# Altium PCB TFT-ES32-V1.PcbDoc (part 1 of 2) (continued)
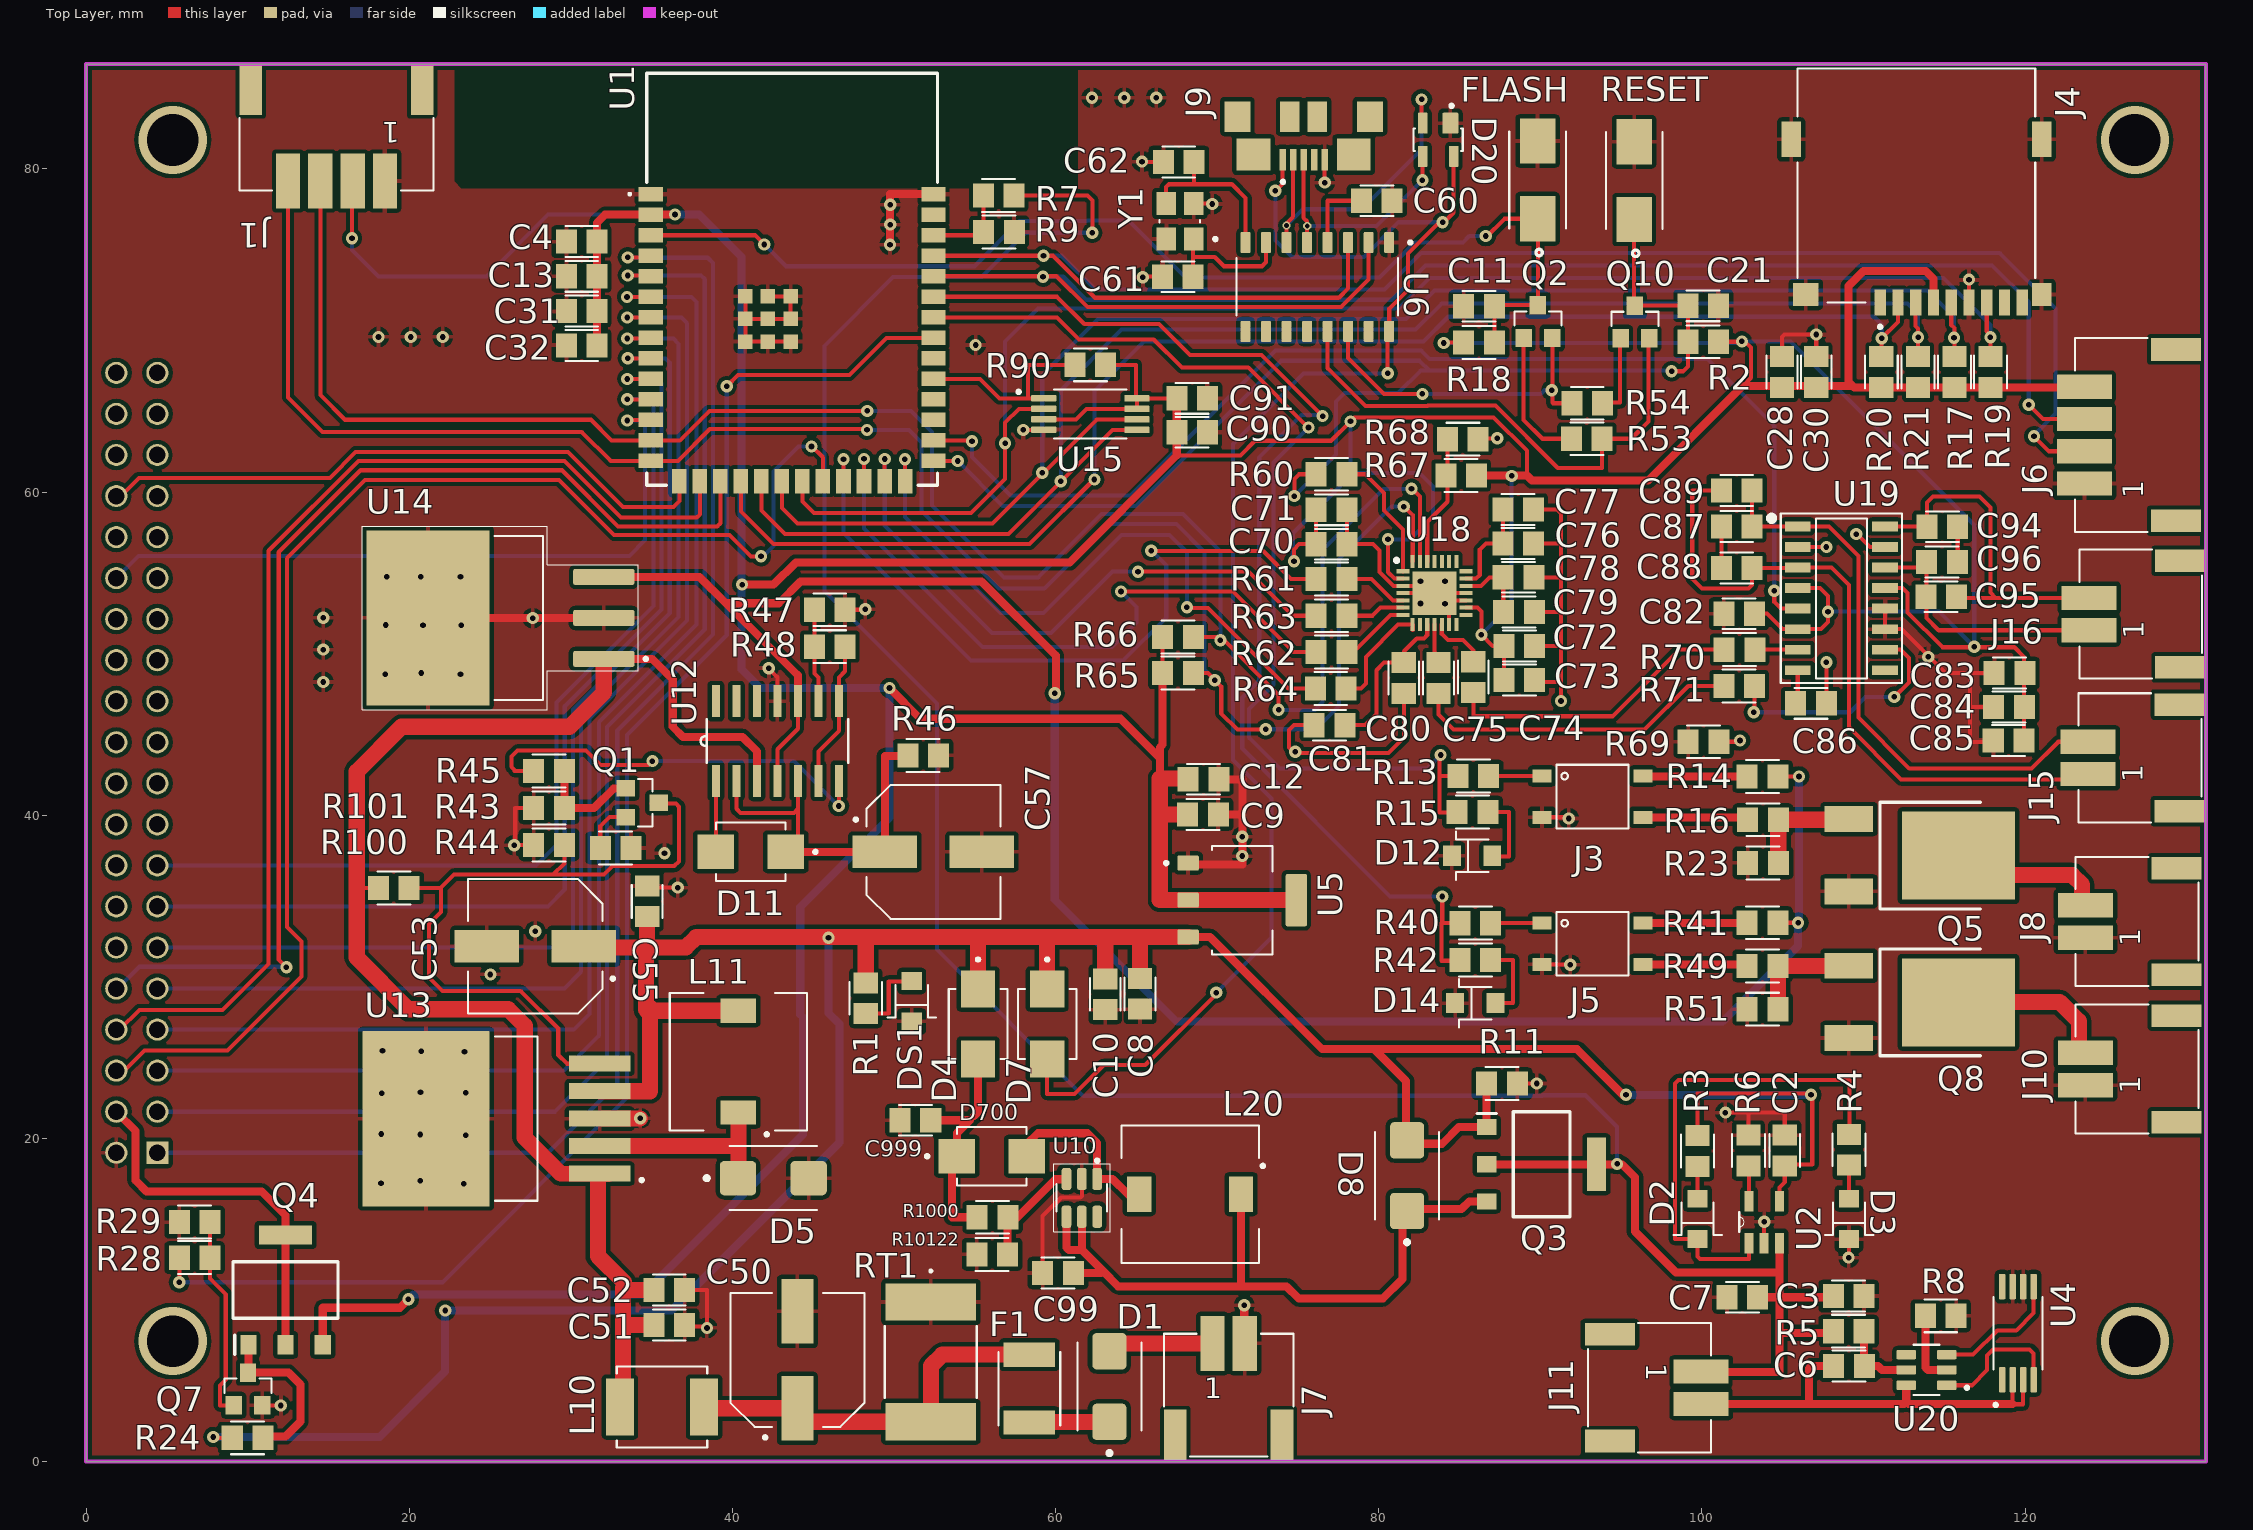
[diagram p0: Top Layer view]
## Components (designator, comment, footprint, x,y, rotation, side; value= is the part's Value field where it differs from the comment) (continued)
R66 "4K7" R_0805 67.575,51.025 r180 top
R67 "10K" R_0805 85.1,61.025 r0 top
R68 "10K" R_0805 85.2,63.275 r0 top
R69 "0 R" R_0805 100.1,44.55 r0 top
R70 "10R 5%" R_0805 102.325,50.25 r0 top
R71 "10R 5%" R_0805 102.3,48 r0 top
R90 "10K" R_0805 62.15,67.875 r0 top
R100 "47K" R_0805 19.05,35.5 r180 top
R101 "523k" R_0805 32.775,37.975 r180 top
R1000 "10K" R_0805 56.1,15.125 r180 top
R10122 "56K" R_0805 56.075,12.825 r0 top
RESET "buton-SMD" SW_147873-2 95.8,79.275 r90 top
RT1 "0ZCF0150FF2C" 0ZCF 52.28,6.173 r270 top
U1 "ESP32-S3-WROOM-1-N4R2" ESP32S3WROOM1N4R2 43.7,72.925 r0 top
U2 "MCP73831T-2ACI/OT" SOT95P280X145-5N 103.85,14.825 r90 top
U4 "FS8205A" SOP65P640X120-8N 119.55,7.95 r90 top
U5 "AMS1117" SOT229P700X180-4N 71.55,34.75 r0 top
U6 "CH340G" SOIC127P600X180-16N 76.2,72.694 r270 top
U10 "MT3608" SOT95P280X145-6N 61.625,16.325 r270 top
U12 "TL084CDT" SOIC127P600X175-14N 42.787,44.593 r90 top
U13 "LM2596S-5.0" TO170P1524X483-6N 25.388,21.225 r180 top
U14 "LM7812S/NOPB" TO254P1524X483-4N 25.642,52.213 r180 top
U15 "CAT25512YI-GT3" SOP65P640X120-8N 62.15,64.825 r0 top
U18 "ES8388" QFN45P400X400X90-29N-D 83.45,53.75 r0 top
U19 "PAM8403DR" SOIC127P605X150-16N 108.625,53.425 r0 top
U20 "DW01A" SOT-23-6 113.895,5.675 r180 top
Y1 "CRISTAL, SELLO DE VIDRIO CERAMICO, 12MHZ, 10PF, 30PPM @ 25C, 3" XTAL_ABM8G25000MHZB4YT3 67.691,76.758 r180 top

## Footprints (in the part's own frame and the unit in brackets; to place one, negate y for a bottom-side part, rotate by r counter-clockwise, add the part's x,y. Pads: shape width x height; smd on the part's side, far side on the other; paste and mask are expansions set on the pad)
0ZCF [mil]
  rect 91x221 smd paste+0 mask+0: 1(-146,0) 2(146,0)
  silkscreen extent -224,-112 87,112, body extent -157,-111 157,111, height 45
620102131822 [mm]
  rect 1.5x3.4 smd: 1(-1,0) 2(1,0)
  rect 1.4x3.1 smd: Z1(-3.3,-5.65) Z2(3.3,-5.65)
  silkscreen extent -4,-7 4,0.6, body extent -4,-7 4,1.6, height 5.55
620104131822 [mm]
  rect 1.5x3.4 smd: 1(-3,0) 2(-1,0) 3(1,0) 4(3,0)
  rect 1.4x3.1 smd: Z1(-5.3,-5.65) Z2(5.3,-5.65)
  silkscreen extent -6,-3.9 6,0.6, body extent -6,-7 6,1.6, height 5.59
AMPHENOL_GTFP08131Y2HR [mm]
  rect 0.7x1.6 smd: 1(2.25,10.1) 2(1.15,10.1) 3(0.05,10.1) 4(-1.05,10.1) 5(-2.15,10.1) 6(-3.25,10.1) 7(-4.35,10.1) 8(-5.45,10.1) CD(-6.55,10.1)
  rect 1.2x1.4 smd: S1(-7.75,9.6)
  rect 1.6x1.4 smd: S2(6.85,9.6)
  rect 1.2x2.2 smd: S3(-7.75,0) S4(7.75,0)
  silkscreen extent -7.35,-4.4 7.35,11.7, body extent -8.05,-4.4 8.05,10.6, height 1.9
C_0805-3D [mm] "Chip Capacitor, 2-Leads, Body 2.00x1.25mm"
  rect 1.3x1.5 smd: 1(-0.95,0) 2(0.95,0)
  silkscreen extent -1.02,-0.95 1.02,0.95, body extent -1,-0.62 1,0.63, height 0.78
"CAP_EEEFP1V221AV - duplicate" [mm]
  rect 4x2 smd: 1(-3,0) 2(3,0)
  silkscreen extent -4.9,-4.15 4.15,4.15, body extent -4.85,-4.15 4.85,4.15, height 10.5
D_0805-GREEN [mm] "diodo GREEN 0805 smd"
  rect 1.1x1.25 smd: 1(-1.25,0) 2(1.25,0)
  silkscreen extent -1,-1.5 1,1.5, body extent -1.01,-0.62 1.01,0.63, height 1.1
D_0805-RED [mm] "diodo red 0805 smd"
  rect 1.1x1.25 smd: 1(-1.25,0) 2(1.25,0)
  silkscreen extent -1,-1.5 1,1.5, body extent -1.05,-0.67 1.05,0.68, height 0.9
DE0703-33 [mm] "Inductor: alambre; SMD; 33uH; 910mA; 240 mO; 7,3x7,3x3,2 mm; ±20%"
  rect 1.5x2.2 smd: 1(-3.15,0) 2(3.15,0)
  silkscreen extent -4.6,-4.25 4.25,4.25, body extent -3.65,-3.65 3.65,3.65, height 3.2
DIOM5436X247N [mm]
  rrect25% 2.25x2.12 smd: A(2.185,0) C(-2.185,0)
  silkscreen extent -4.22,-1.98 2.71,1.98, body extent -2.72,-1.78 2.72,1.78, height 2.49
DPAK [mil]
  rect 63x118 smd: 1(-89,-194) 3(87,-194)
  rect 214.63x275.59 smd: 4(0,72.94)
  silkscreen extent -130,-118 130,126, body extent -128,-225 128,165, height 94
ESP32S3WROOM1N4R2 [mm]
  rect 1.5x0.9 smd: 1(-8.75,5.51) 2(-8.75,4.24) 3(-8.75,2.97) 4(-8.75,1.7) 5(-8.75,0.43) 6(-8.75,-0.84) 7(-8.75,-2.11) 8(-8.75,-3.38) 9(-8.75,-4.65) 10(-8.75,-5.92) 11(-8.75,-7.19) 12(-8.75,-8.46) 13(-8.75,-9.73) 14(-8.75,-11) 27(8.75,-11) 28(8.75,-9.73) 29(8.75,-8.46) 30(8.75,-7.19) 31(8.75,-5.92) 32(8.75,-4.65) 33(8.75,-3.38) 34(8.75,-2.11) 35(8.75,-0.84) 36(8.75,0.43) 37(8.75,1.7) 38(8.75,2.97) 39(8.75,4.24) 40(8.75,5.51)
  rect 0.9x1.5 smd: 15(-6.985,-12.25) 16(-5.715,-12.25) 17(-4.445,-12.25) 18(-3.175,-12.25) 19(-1.905,-12.25) 20(-0.635,-12.25) 21(0.635,-12.25) 22(1.905,-12.25) 23(3.175,-12.25) 24(4.445,-12.25) 25(5.715,-12.25) 26(6.985,-12.25)
  rect 0.9x0.9 smd: 41(-1.5,-2.21) 42(-1.5,-0.81) 43(-2.9,-0.81) 44(-2.9,-2.21) 45(-2.9,-3.61) 46(-1.5,-3.61) 47(-0.1,-3.61) 48(-0.1,-2.21) 49(-0.1,-0.81)
  silkscreen extent -10.1,-12.5 9,13, body extent -9,-12.5 9,13, height 3.25
FUSER_MF-MSMF075/24-2 [mm]
  rect 1.5x3.2 smd: 1(-2.1,0) 2(2.1,0)
  silkscreen extent -2.27,-1.91 2.27,1.91, body extent -2.27,-1.62 2.27,1.62, height 0.85
HRS_ZX62R-B-5P [mm]
  rect 0.4x1.35 smd: 1(1.3,2.675) 2(0.65,2.675) 3(0,2.675) 4(-0.65,2.675) 5(-1.3,2.675)
  rect 1.6x1.9 smd: GND(-4.1,0) GND(4.1,0)
  rect 2.1x2 smd: GND(-3.1,2.35) GND(3.1,2.35)
  rect 1.2x1.9 smd: GND(-0.85,0) GND(0.85,0)
  silkscreen extent 1.18,3.94 1.38,4.14, body extent -4.4,-2.75 4.4,2.98, height 2.71
INDM5650X530N [mm]
  rect 1.71x3.51 smd: 1(-2.6,0) 2(2.6,0)
  silkscreen extent -2.8,-2.5 2.8,2.5, body extent -2.93,-2.67 2.67,2.33, height 5.3
QFN45P400X400X90-29N-D [mm]
  rect 0.8x0.25 smd: 1(-1.95,1.35) 2(-1.95,0.9) 3(-1.95,0.45) 4(-1.95,0) 5(-1.95,-0.45) 6(-1.95,-0.9) 7(-1.95,-1.35) 15(1.95,-1.35) 16(1.95,-0.9) 17(1.95,-0.45) 18(1.95,0) 19(1.95,0.45) 20(1.95,0.9) 21(1.95,1.35)
  rect 0.25x0.8 smd: 8(-1.35,-1.95) 9(-0.9,-1.95) 10(-0.45,-1.95) 11(0,-1.95) 12(0.45,-1.95) 13(0.9,-1.95) 14(1.35,-1.95) 22(1.35,1.95) 23(0.9,1.95) 24(0.45,1.95) 25(0,1.95) 26(-0.45,1.95) 27(-0.9,1.95) 28(-1.35,1.95)
  rect 2.7x2.7 smd: 29(0,0)
  silkscreen extent -2.46,1.91 -2.24,2.14, body extent -2.05,-2.05 2.05,2.05, height 0.9
R_0805 [mm] "Chip Resistor 0805"
  rect 1.3x1.5 smd: 1(-0.95,0) 2(0.95,0)
  silkscreen extent -1.02,-1.02 1.02,1.02, body extent -1,-0.63 1,0.63, height 0.43
SAMTEC_BCS-120-F-D-TE [mm]
  rect 1.37x1.37 / inner round 1.37 / far side rect 1.37x1.37 hole 1.02: 01(24.13,-1.27)
  round 1.37 hole 1.02: 02(24.13,1.27) 03(21.59,-1.27) 04(21.59,1.27) 05(19.05,-1.27) 06(19.05,1.27) 07(16.51,-1.27) 08(16.51,1.27) 09(13.97,-1.27) 10(13.97,1.27) 11(11.43,-1.27) 12(11.43,1.27) 13(8.89,-1.27) 14(8.89,1.27) 15(6.35,-1.27) 16(6.35,1.27) 17(3.81,-1.27) 18(3.81,1.27) 19(1.27,-1.27) 20(1.27,1.27) 21(-1.27,-1.27) 22(-1.27,1.27) 23(-3.81,-1.27) 24(-3.81,1.27) 25(-6.35,-1.27) 26(-6.35,1.27) 27(-8.89,-1.27) 28(-8.89,1.27) 29(-11.43,-1.27) 30(-11.43,1.27) 31(-13.97,-1.27) 32(-13.97,1.27) 33(-16.51,-1.27) 34(-16.51,1.27) 35(-19.05,-1.27) 36(-19.05,1.27) 37(-21.59,-1.27) 38(-21.59,1.27) 39(-24.13,-1.27) 40(-24.13,1.27)
  silkscreen extent -25.4,-2.54 26.15,2.54, body extent -25.4,-2.54 25.4,2.54, height 7.37
SOIC127P600X175-14N [mil]
  rect 78x20 smd: 1(-97,150) 2(-97,100) 3(-97,50) 4(-97,0) 5(-97,-50) 6(-97,-100) 7(-97,-150) 8(97,-150) 9(97,-100) 10(97,-50) 11(97,0) 12(97,50) 13(97,100) 14(97,150)
  silkscreen extent -53,-172 53,187, body extent -118,-170 118,170, height 69
SOIC127P600X180-16N [mm]
  rrect25% 1.31x0.62 smd: 1(-2.75,4.445) 2(-2.75,3.175) 3(-2.75,1.905) 4(-2.75,0.635) 5(-2.75,-0.635) 6(-2.75,-1.905) 7(-2.75,-3.175) 8(-2.75,-4.445) 9(2.75,-4.445) 10(2.75,-3.175) 11(2.75,-1.905) 12(2.75,-0.635) 13(2.75,0.635) 14(2.75,1.905) 15(2.75,3.175) 16(2.75,4.445)
  silkscreen extent -2.85,-5 1.78,5.85, body extent -3,-5 3,5, height 1.8
SOIC127P605X150-16N [mm]
  rect 1.6x0.6 smd: 1(-2.7,4.445) 2(-2.7,3.175) 3(-2.7,1.905) 4(-2.7,0.635) 5(-2.7,-0.635) 6(-2.7,-1.905) 7(-2.7,-3.175) 8(-2.7,-4.445) 9(2.7,-4.445) 10(2.7,-3.175) 11(2.7,-1.905) 12(2.7,-0.635) 13(2.7,0.635) 14(2.7,1.905) 15(2.7,3.175) 16(2.7,4.445)
  silkscreen extent -4.46,-5.25 3.75,5.25, body extent -3.05,-4.95 3,4.95, height 1.63
SOP65P640X120-8N [mm]
  rrect25% 1.56x0.4 smd: 1(-2.88,0.975) 2(-2.88,0.325) 3(-2.88,-0.325) 4(-2.88,-0.975) 5(2.88,-0.975) 6(2.88,-0.325) 7(2.88,0.325) 8(2.88,0.975)
  silkscreen extent -4.54,-1.52 2.25,1.52, body extent -3.2,-1.47 3.2,1.46, height 1.2
SOP-4-2.54MM [mm]
  rect 0.8x1.2 smd: ANODE(-1.3,-3.35) CATHODE(1.25,-3.35) COLLECTOR(-1.3,2.9) EMITTER(1.25,2.9)
  silkscreen extent -2,-2.45 1.95,2, body extent -1.9,-3.77 1.9,3.26, height 2.2
SOT95P280X145-5N [mil]
  rect 50x22 smd: 1(-51,37) 2(-51,0) 3(-51,-37) 4(51,-37) 5(51,37)
  silkscreen extent -24,49 24,61, body extent -53,-57 53,57, height 57
SOT95P280X145-6N [mm]
  rrect50% 1.37x0.59 smd: 1(-1.17,0.95) 2(-1.17,0) 3(-1.17,-0.95) 4(1.17,-0.95) 5(1.17,0) 6(1.17,0.95)
  silkscreen extent -2.4,-1.75 2.1,1.75, body extent -1.4,-1.45 1.4,1.45, height 1.45
SOT143 [mm]
  rrect15% 0.99x1.3 smd: 1(-0.76,-1.025)
  rrect15% 0.59x1.3 smd: 2(0.96,-1.025) 3(0.96,1.025) 4(-0.96,1.025)
  silkscreen extent -1.52,-2.2 1.52,0.7, body extent -1.46,-1.21 1.46,1.21, height 1
SOT229P700X180-4N [mm]
  rrect15% 1.31x0.93 smd: 1(-3.345,2.29) 2(-3.345,0) 3(-3.345,-2.29)
  rrect15% 1.31x3.24 smd: 4(3.345,0)
  silkscreen extent -4.8,-3.36 1.86,3.36, body extent -3.5,-3.25 3.5,3.25, height 1.8
SOT230P700X175-4N [mm]
  rect 1.2x1 smd: 1(-3.4,2.3) 2(-3.4,0) 3(-3.4,-2.3)
  rect 1.2x3.3 smd: 4(3.4,0)
  silkscreen extent -4,-3.25 1.75,3.25, body extent -3.5,-3.25 3.5,3.25, height 1.75
SOT-23 [mil]
  rect 40x45 smd: 1(-35,-40) 2(35,-40) 3(0,40)
  silkscreen extent -58,-10 58,25, body extent -59,-49 59,49
SOT-23-6 [mm] "Pinza 11,4V 7A (8/20µs) Ipp Tvs Diodo Montaje en superficie"
  rrect25% 1.21x0.58 smd: 1(-1.255,0.95) 2(-1.255,0) 3(-1.255,-0.95) 4(1.255,-0.95) 5(1.255,0) 6(1.255,0.95)
  silkscreen extent -2.6,-1.56 0.8,1.56, body extent -1.4,-1.45 1.4,1.45, height 1.45
"SS56B-HF DO-214AA (SMB)" [mm] "Diodo Schottky 60 V 5A Montaje en superficie DO-214AA (SMB)"
  rect 2.28x2.12 smd: 1(2.165,0) 2(-2.165,0)
  silkscreen extent -4.1,-1.81 2.16,1.81, body extent -2.5,-1.35 2.5,1.35, height 2.28
SW_147873-2 [mm]
  rect 2.8x2.2 smd: 1(-2.413,0) 2(2.4,0)
  silkscreen extent -4.7,-1.75 3,1.75, body extent -3.53,-2.1 3.27,1.4, height 4.61
TO170P1524X483-6N [mm]
  rect 3.79x0.99 smd: 1(-6.4,3.4) 2(-6.4,1.7) 3(-6.4,0) 4(-6.4,-1.7) 5(-6.4,-3.4)
  rect 7.88x10.84 smd paste-6: 6(4.35,0)
  silkscreen extent -9.1,-5.08 0.09,5.08, body extent -7.18,-5.08 7.18,5.08, height 4.65
TO254P1524X483-4N [mm]
  rrect25% 3.79x0.99 smd: 1(-6.4,2.54) 2(-6.4,0) 3(-6.4,-2.54)
  rect 7.62x10.84 smd paste-6: 4(4.48,0)
  silkscreen extent -9.1,-5.67 8.54,5.67, body extent -7.3,-5.08 7.05,5.08, height 4.65
XTAL_ABM8G25000MHZB4YT3 [mm]
  rect 1.2x1.4 smd: 1(-0.85,1.1) 2(-0.85,-1.1) 3(0.85,-1.1) 4(0.85,1.1)
  silkscreen extent -2.3,-0.08 1.25,1.2, body extent -1.6,-1.24 1.6,1.24, height 0.99

## Part data
C2 C3 C4 C6 C7 C8 C9 C10 C11 C12 C13 C21 C28 C30 C31 C32 C51 C52 C55 C60 C70 C71 C72 C73 C90 C91: library part "capacitor caramico", "capacitor ceramico 0805"
  C11 C21: tension=10V, tipo=X7R
C50 C53: library part CAP_EEEFP1V221AV, "CAP ALUM", max volt=50V
C57: library part CAP_EEEFP1V221AV, "CAP ALUM", max volt=35V
C61 C62 C74 C75 C76 C77 C78 C79 C80 C81 C82 C83 C84 C85 C86 C87 C88 C89 C94 C95 C96 C99 C999: "capacitor ceramico 0805"
D1 D5 D8: "Diode Schottky 60V 3A Surface Mount SMB"
D2: library part LED-SMD, "led 0805 red"
D3 D12 D14: library part LED-SMD-GREEN, "LED-SMD-GREEN"
D4 D7 D11 D700: "Diodo Schottky 60 V 5A Montaje en superficie DO-214AA (SMB)", pakage="DO-214AA (SMB)", Part Number=SS56B-HF
D20: "Supresor ESD TVS Uni-Dir 5.5V 4-Pin SOT-143 T/R"
DS1: "led 0805 red"
F1: "Polymeric PTC Resettable Fuse 24V 750 mA Ih Surface Mount 1812 (4532 Metric), Concave"
J1 J6: "Connector Header Surface Mount, Right Angle 4 position 0.079\" (2.00mm)", MP=WurthElektronik
J2: "CONNECTOR, RECEPTACLE, 40 CONTACTS, 2 ROWS, THROUGH HOLE, 2.54 MM; Connector Systems:Board-to-Board; Pitch Spacing:2.54mm; No. of Rows:2Rows; No. of Contacts:40Contacts; Connector Mounting:Through Hole Mount; Gender:Receptacle RoHS Compliant: Yes"
J3 J5: "Optoisolator Transistor Output 3750Vrms 1 Channel 6-SOP", Package=None, Availability="In Stock", Check_prices=https://www.snapeda.com/parts/TLP185/Toshiba/view-part/?ref=eda, MF=Toshiba, MP=TLP185, Price=None, Purchase-URL=https://pricing.snapeda.com/search/part/TLP185/?ref=eda, SnapEDA_Link=https://www.snapeda.com/parts/TLP185/Toshiba/view-part/?ref=snap
J4: "GTFP08131Y2HR  MICRO SD,P/P,LCP", MF=GTFP08131Y2HR
J7 J8 J10 J11 J15 J16: library part HEADER-2P-620102131822, "Connector Header Surface Mount, Right Angle 2 position 0.079 _2.00mm_"
J9: library part USB-ZX62R-B-5P, "ZX62R-B-5P USB STM", tecnoligi=SMD
L10: library part B82442T1105K050, "INDUCTOR, 2220A, 1000UH, 0.246A, 10%; Inductance:1mH; Inductance Tolerance:± 10%; DC Resistance Max:9.5ohm; DC Current Rating:150mA; Series:SIMID; Core Material:Ferrite; Inductor Case Style:2220; No. of Pins:2; Core Material:Ferrite; DC Current Max:150mA; Inductor Type:Laser Cut; Package / Case:2220; Q @ Vr F:20; Q Factor @ Frequency:20 @ 252kHz; Resistance:9.5ohm; Resonant Frequency:1.8MHz"
L11 L20: "Inductor: alambre; SMD; 33uH; 910mA; 240 mO; 7,3x7,3x3,2 mm; ±20%"
Q1 Q2 Q7: library part transistor-smd-NPN-BJT, "Transistor bipolar (BJT) NPN 25 V 500 mA 150 MHz 300 mW Montaje en superficie SOT-23"
Q3 Q4: "10A, 20V, 0.05ohm, P-CHANNEL, Si, POWER, MOSFET, TO-261AA, CASE 318E-04, TO-261, 4 PIN"
Q5 Q8: "Bipolar _BJT_ Transistor NPN - Darlington 100V 8A 4MHz 1.75W Surface Mount DPAK", MF="ON Semiconductor"
Q10: library part transistor-smd-NPN-BJT-espejado, "Transistor bipolar (BJT) NPN 25 V 500 mA 150 MHz 300 mW Montaje en superficie SOT-23"
R1 R2 R3 R4 R5 R6 R7 R8 R9 R11 R13 R14 R15 R16 R17 R18 R19 R20 R21 R23 R24 R28 R29 R40 R41 R42 R43 R44 R45 R46 R47 R48 R49 R51 R53 R54 R60 R61 R62 R63 R64 R65 R66 R67 R68 R69 R70 R71 R90 R100 R101 R1000 R10122: library part Resistor
RT1: "PPTC (Polyswitch)", Manufacturer_Part_Number=0ZCF0150FF2C, RefDes=RefDes, Type=Type, Vendor=Belfuse
U1: "Bluetooth, WiFi 802.11b/g/n, Bluetooth v5.0 Transceiver Module 2.4GHz PCB Trace Surface Mount"
U2: "Charger IC Lithium Ion/Polymer SOT-23-5", Package="SOT-23 Microchip", MF=Microchip, MP=MCP73831T-2ACI/OT
U5: "1A LOW DROPOUT VOLTAGE REGULATOR SOT-223", MF=SOT-223, MP=AMS1117
U6: "USB Interface Integrated Circuit", MF=WCH, MP=CH340G
U10: "High Efficiency 1.2MHz 2A Step Up Converter", MB=MT3608, MF="Aerosemi Technology Co., Ltd"
U12: "General purpose JFET quad operational amplifiers", MP=TL084CDT
U13: "SIMPLE SWITCHER&reg; 4.5V to 40V, 3A Low Component Count Step-Down Regulator"
U14: "1.5-A, 30-V, linear voltage regulator 3-DDPAK/TO-263 0 to 125", MP=LM7812S/NOPB, pakage=3-DDPAK/TO-263
U15: "EEPROM 512KB SPI SER CMOS EEPROM"
U18: "Low Power Stereo Audio CODEC With Headphone Amplifier", MF=ES8388, MP=Everest
U19: "Amplifier IC 2-Channel _Stereo_ Class D 16-SOP", MF="Diodes Incorporated", MP=PAM8403DR
U20: "One Cell Lithium-ion/Polymer Battery Protection IC"
Y1: library part ABM8G25000MHZB4YT3, MF=Abracon, MP=ABM8G25000MHZB4YT3

## Via types
v1: diameter 0.756, hole 0.35, Top Layer to Bottom Layer, 162 vias
v2: diameter 4.216/4.216 (per signal layer), hole 3.2, Top Layer to Bottom Layer, 4 vias
v3: diameter 0.5, hole 0.3, Top Layer to Bottom Layer, 2 vias

## Nets (pads, with @x,y where several pads share a name; then routed paths per layer and width w, separated by ;. In a path a pad name is that pad's centre, name@x,y a point inside that pad or via, vN(x,y) a via of type N, cw(c..) or ccw(c..) an arc to the next point about the centre after c; other vN are vias at no path point)
+4.2: C3.1 C7.2 J11.1 Q3.2 Q3.4 R5.2 R7.2 U2.3 | length 159.4
  Top Layer w0.254: R7.2@57.425,78.35 61.975,78.35 62.275,78.05 v1(62.275,76.05) ; Q3.4@93.475,18.4 Q3.4@93.8,18.4 ; J11.1@99.95,5.575 J11.1@99.965,5.56 ; R5.2@108,7.95 R5.2@108.125,8.075 ; C3.1@108.05,10.175 C3.1@108.125,10.25
  Top Layer w0.5: Q3.2@86.675,18.4 Q3.4@93.475,18.4 ; Q3.4@93.8,18.4 95.05,18.4 95.85,17.6 95.85,14.25 98.4,11.7 104.79,11.7 ; J11.1@99.965,5.56 104.79,5.56 104.79,7.95 ; C7.2@103.45,10.175 104.79,10.175 ; U2.3@104.79,13.53 104.79,11.7 ; R5.2@108,7.95 104.79,7.95 ; C3.1@108.05,10.175 104.79,10.175 ; 104.79,7.95 104.79,10.175 ; 104.79,10.175 104.79,11.7
  Bottom Layer w0.254: v1(62.275,76.05) 58.175,76.05 55.425,73.3 49.95,73.3 45.7,69.05 45.7,53.875 52.65,46.925 52.65,31.7 61.709,22.641 90.089,22.641 90.123,22.675 92.8,22.675 94.75,20.725 v1(94.75,18.425)
+Va: C99.1 D8.C L20.1 Q3.3 U10.4 U10.5 | length 43.9
  Top Layer w0.254: 62.8,11.675 62.925,11.8 ; 71.475,10.925 71.55,10.85
  Top Layer w0.5: U10.4@60.675,15.155 60.675,13.25 60.825,13.1 61.625,13.1 ; C99.1@61.1,11.675 62.8,11.675 ; U10.5@61.625,15.155 61.625,13.1 ; 71.475,10.925 L20.1@71.475,16.55 ; Q3.3@86.675,16.1 85.6,16.1 85.125,15.625 81.46,15.625 81.46,11.31 80.25,10.1 75.05,10.1 74.3,10.85 71.55,10.85 63.875,10.85 62.925,11.8 61.625,13.1
AGND: C70.1 C71.1 C72.1 C73.1 C76.1 C77.1 C78.1 C79.1 C80.1 C81.1 C86.2 R68.2 R69.2 U18.3 U18.4 U18.13 U18.17 U18.18 U18.29 U19.2 U19.15 | length 59.5
  Top Layer w0.254: C81.1@76,45.575 74.75,45.575 74.45,45.275 74.45,44.2 74.8,43.85 80.6,43.85 81.55,44.8 C80.1@81.55,47.55 ; C71.1@78.025,58.9 C70.1@78.025,56.775 79.65,56.775 80.05,56.375 80.05,55.05 80.9,54.2 U18.3@81.5,54.2 82.301,54.2 v1(82.579,54.478) ; U18.4@81.5,53.75 U18.29@83.45,53.75 ; U18.13@84.35,51.8 U18.29@84.35,52.85 ; U18.17@85.4,53.3 83.9,53.3 U18.29@83.45,53.75 ; U18.18@85.4,53.75 U18.29@83.45,53.75 ; R68.2@86.15,63.275 86.2,63.325 v1(87.325,63.325) ; C76.1@89.575,56.825 91.275,56.825 ; C77.1@89.575,58.925 91.025,58.925 91.275,58.675 91.275,56.825 ; C78.1@89.6,54.725 91.2,54.725 91.275,54.65 ; C79.1@89.625,52.575 91.15,52.575 91.275,52.45 ; C73.1@89.65,48.375 89.775,48.25 91.275,48.25 ; C72.1@89.65,50.475 91.175,50.475 91.275,50.375 ; v1(91.275,47.075) 91.275,48.25 ; R69.2@101.05,44.55 v1@102.325,44.55 ; U19.2@105.925,56.6 v1@107.625,56.6 ; C86.2@107.7,46.925 v1(107.7,49.475) ; v1@109.575,57.425 110.4,56.6 U19.15@111.325,56.6 ; 91.275,48.25 91.275,50.375 ; 91.275,50.375 91.275,52.45 ; 91.275,52.45 91.275,54.65 ; 91.275,54.65 91.275,56.825
  other v1: 74.825,43.925 102.35,44.625 82.579,53.103 84.1,53.1 84.1,54.475 107.7,56.6 109.55,57.4
GND: C2.1 C3.2 C4.1 C7.1 C8.2 C9.2 C10.1 C11.1 C12.1 C13.2 C21.1 C28.2 C30.1 C31.1 C32.2 C50.2 C51.2 C52.1 C53.2 C55.1 C57.2 C60.1 C61.1 C62.1 C82.1 C83.1 C84.1 C85.1 C90.1 C91.2 C99.2 C999.1 D3.2 D5.A D12.2 D14.2 D20.1 DS1.2 FLASH.2 J1.1 J2.02 J3.CATHODE J4.6 J4.S1 J4.S2 J4.S3 J4.S4 J5.CATHODE J6.1 J7.2 J8.1 J9.5 J10.1 Q5.3 Q7.2 Q8.3 R6.1 R8.1 R9.1 R11.2 R23.1 R29.1 R43.1 R44.1 R46.1 R47.1 R51.2 R69.1 R101.1 R10122.1 RESET.2 RT1.1 U1.1 U1.40 U1.41 U1.42 U1.43 U1.44 U1.45 U1.46 U1.47 U1.48 U1.49 U2.2 U4.6 U4.7 U5.1 U6.1 U10.2 U12.11 U13.3 U13.6 U14.2 U14.4 U15.4 U19.11 U19.12 Y1.2 Y1.4 | length 110.1
  Top Layer w0.254: Q7.2@10.914,3.484 v1@11.984,3.484 ; R44.1@27.701,38.168 26.565,38.168 26.565,40.454 R43.1@27.701,40.454 ; U14.2@32.042,52.213 U14.2@32.079,52.25 ; C55.1@34.725,35.625 34.825,35.525 v1(36.625,35.525) ; C51.2@37.04,8.459 37.142,8.357 38.418,8.357 38.418,10.618 C52.1@37.04,10.618 ; U1.43@40.8,72.115 U1.44@40.8,70.715 ; U1.42@42.2,72.115 U1.49@43.6,72.115 U1.48@43.6,70.715 U1.41@42.2,70.715 U1.44@40.8,70.715 ; v1@42.225,49.1 42.787,48.538 U12.11@42.787,47.057 ; U1.47@43.6,69.315 U1.46@42.2,69.315 U1.45@40.8,69.315 U1.44@40.8,70.715 ; R47.1@46.978,52.721 v1@48.021,52.721 ; v1@57.925,63.85 U15.4@59.27,63.85 ; C99.2@59.2,11.675 59.2,15.2 60.35,16.35 61.525,16.35 61.625,16.45 U10.2@61.625,17.495 ; v1@65.529,73.329 C61.1@66.614,73.329 ; v1@65.55,80.425 C62.1@66.675,80.425 ; U5.1@68.205,37.04 U5.1@68.295,36.95 ; Y1.2@68.541,77.858 v1@69.558,77.858 ; 71.45,40.05 71.575,39.925 ; v1@76.65,79.275 J9.5@76.65,80.56 ; R11.2@88.575,23.4 v1(89.775,23.4) ; J5.CATHODE@90.1,30.775 v1@91.9,30.775 ; J3.CATHODE@90.1,39.875 v1@91.825,39.875 ; v1@101.3,21.6 102.875,21.6 ; R6.1@102.875,20.2 102.875,21.6 ; U2.2@103.85,13.53 v1@103.85,14.625 ; C28.2@104.95,68.375 104.95,69.6 105.1,69.75 v1(107.075,69.75) C30.1@107.075,68.375 ; C2.1@105.125,20.2 105.125,21.6 102.875,21.6 ; v1@109.1,12.625 D3.2@109.1,13.75 ; U19.12@111.325,52.79 U19.11@111.325,51.52 112.355,51.52 115.075,48.8 116.575,48.8 ; J4.6@116.525,71.725 v1@116.525,73.1 ; C85.1@118.025,44.625 117.925,44.525 116.575,44.525 116.575,46.625 ; C84.1@118.05,46.7 116.65,46.7 116.575,46.625 ; C83.1@118.075,48.8 116.575,48.8 ; 116.575,46.625 116.575,48.8
  Top Layer w0.5: U14.4@21.162,52.213 U14.2@32.042,52.213 ; v1@49.765,75.235 v1(49.765,76.55) v1(49.765,77.775) 49.765,78.435 U1.40@52.45,78.435 ; U5.1@68.295,36.95 71.575,36.95 71.575,39.925 71.575,42.225 C12.1@70.1,42.225 ; C9.2@70.075,40.05 71.45,40.05 ; v1(71.675,9.675) 71.675,7.352 J7.2@71.711,7.316
  Top Layer w1: U13.3@31.788,21.225 v1@34.275,21.225
  other v1: 12.05,3.475 38.425,8.275 109.075,12.625 103.85,14.85 23.375,17.2 18.25,17.225 20.675,17.375 23.5,20.2 20.675,20.25 18.275,20.275 34.3,21.25 101.45,21.6 18.3,22.8 23.5,22.825 20.7,22.85 23.425,25.375 20.75,25.4 18.35,25.425 25.025,30.15 91.85,30.75 27.8,32.825 71.55,37.475 35.8,37.65 26.5,38.15 71.55,38.675 91.75,39.8 14.675,48.25 18.525,48.725 23.175,48.725 20.75,48.8 42.25,49.1 114,49.8 14.675,50.25 20.85,51.75 23.225,51.75 18.55,51.775 27.65,52.2 14.675,52.225 48.225,52.75 18.6,54.75 20.725,54.75 23.175,54.75 58,63.85 55.05,69.1 18.1,69.6 20.1,69.6 22.075,69.6 116.525,73.15 65.4,73.3 49.75,75.3 69.7,77.825 76.65,79.15 65.35,80.45 62.25,84.4 64.25,84.4 66.225,84.4
NetC4_2: C4.2 C9.1 C12.2 C13.1 C28.1 C30.2 C31.2 C32.1 C70.2 C71.2 C72.2 C73.2 C82.2 C83.2 C84.2 C85.2 C90.2 C91.1 J1.2 J4.4 J6.4 Q4.3 R2.2 R17.2 R18.2 R19.2 R20.2 R21.2 R65.2 R66.2 R67.2 R90.2 U1.2 U5.2 U5.4 U15.3 U15.7 U15.8 U18.2 U18.16 U19.4 U19.6 U19.13 | length 449.6
  Top Layer w0.254: v1(16.46,75.712) 16.46,79.21 J1.2@16.5,79.25 ; C32.1@31.625,69.075 C32.1@31.64,69.09 ; v1@49.7,47.875 v1(49.725,47.875) ; U15.3@59.27,64.5 61.275,64.5 61.925,65.15 U15.7@65.03,65.15 U15.8@65.03,65.8 ; R90.2@63.1,67.875 64.975,67.875 64.975,65.855 U15.8@65.03,65.8 ; 66.45,39.95 66.55,40.05 ; R65.2@66.625,48.8 R66.2@66.625,51.025 ; 67.5,62.275 71.45,62.275 72.35,63.175 77.05,63.175 v1(78.25,64.375) 78.5,64.625 87.11,64.625 89.175,62.56 89.175,61.025 ; C91.1@67.5,65.8 U15.8@65.03,65.8 ; C12.2@68.15,42.275 C12.2@68.2,42.225 ; v1(74.75,55.725) 74.75,56.45 75.075,56.775 C70.2@76.125,56.775 C71.2@76.125,58.9 ; v1(80.575,57.075) 80.575,55.04 80.965,54.65 U18.2@81.5,54.65 ; v1@83.975,69.25 R18.2@85.25,69.25 ; U18.16@85.4,52.85 86.1,52.85 86.35,52.6 v1(86.35,51.175) 87.05,50.475 C72.2@87.75,50.475 C73.2@87.75,48.375 ; R2.2@101.025,69.3 102.675,69.3 103.025,68.95 103.025,67.075 102.525,66.575 ; C82.2@103.25,52.475 104.025,52.475 104.98,51.52 U19.6@105.925,51.52 107.37,51.52 107.8,51.95 107.8,53.575 107.315,54.06 U19.4@105.925,54.06 ; U19.13@111.325,54.06 112.415,54.06 112.725,53.75 112.725,52.55 114.875,50.4 119.325,50.4 119.925,49.8 C85.2@119.925,44.625 ; J6.4@123.625,66.475 J6.4@123.675,66.525
  Top Layer w0.5: Q4.3@14.65,7.225 14.65,9.525 19.425,9.525 v1(19.95,10.05) ; C32.1@31.61,69 31.61,76.66 32.115,77.165 U1.2@34.95,77.165 v1@36.45,77.165 ; v1(40.6,54.275) 42.55,54.275 43.925,55.65 60.875,55.65 67.5,62.275 C90.2@67.5,63.7 C91.1@67.5,65.8 ; v1(49.725,47.875) 51.625,45.975 64.025,45.975 66.45,43.55 ; 66.45,42.275 66.45,43.55 ; R65.2@66.625,48.8 66.625,44.375 66.45,44.2 66.45,43.55 ; R67.2@86.05,61.025 89.175,61.025 89.475,60.725 96.675,60.725 102.425,66.475 ; 102.525,66.575 109.325,66.575 ; 109.438,66.463 109.425,66.475 ; J4.4@114.325,71.725 114.325,73.2 113.85,73.675 110,73.675 109.075,72.75 109.075,66.825 109.325,66.575 ; J6.4@123.625,66.475 R19.2@117.85,66.475 R17.2@115.625,66.475 R21.2@113.375,66.475 R20.2@111.1,66.475 109.425,66.475 ; 109.325,66.575 109.425,66.475
  Top Layer w1: 66.55,40.05 C9.1@68.175,40.05 ; C12.2@68.15,42.275 66.45,42.275 66.45,39.95 66.45,34.75 U5.2@68.205,34.75 U5.4@74.895,34.75
  Bottom Layer w0.254: v1(16.46,75.712) 16.46,74.99 18.1,73.35 24.775,73.35 28.6,77.175 v1(36.45,77.175) ; v1(19.95,10.05) 20.25,10.35 ; 44.2,27.675 44.375,27.5 ; v1@74.675,55.9 74.675,57.425 78.425,61.175 ; v1(78.25,64.375) 78.25,61.35 78.425,61.175 ; v1(80.575,57.075) 81.925,57.075 83.35,58.5 83.35,60.35 82.525,61.175 78.425,61.175 ; v1(84.025,69.225) 102.37,69.225 v1(102.47,69.325) 105.475,69.325 116.85,57.95 v1(116.85,50.425) 114.675,52.6 v1(107.8,52.6) ; v1(86.35,51.175) 88.225,53.05 v1(88.225,61) v1@88.225,61.025
  Bottom Layer w0.5: 20.25,10.35 34.475,10.35 44.375,20.25 44.375,27.5 ; v1(36.45,77.175) 37.95,77.175 40.575,74.55 40.575,49.025 41.725,47.875 v1(49.725,47.875) 49.725,39.85 44.2,34.325 44.2,27.675
NetC6_1: C6.1 R5.1 U20.5 | length 4.9
  Top Layer w0.254: C6.1@110.025,5.95 C6.1@110.05,5.925
  Top Layer w0.5: C6.1@110.025,5.95 R5.1@110.025,8.075 ; C6.1@110.05,5.925 110.9,5.925 111.15,5.675 U20.5@112.64,5.675